# KiCad board Marble.kicad_pcb (continued)
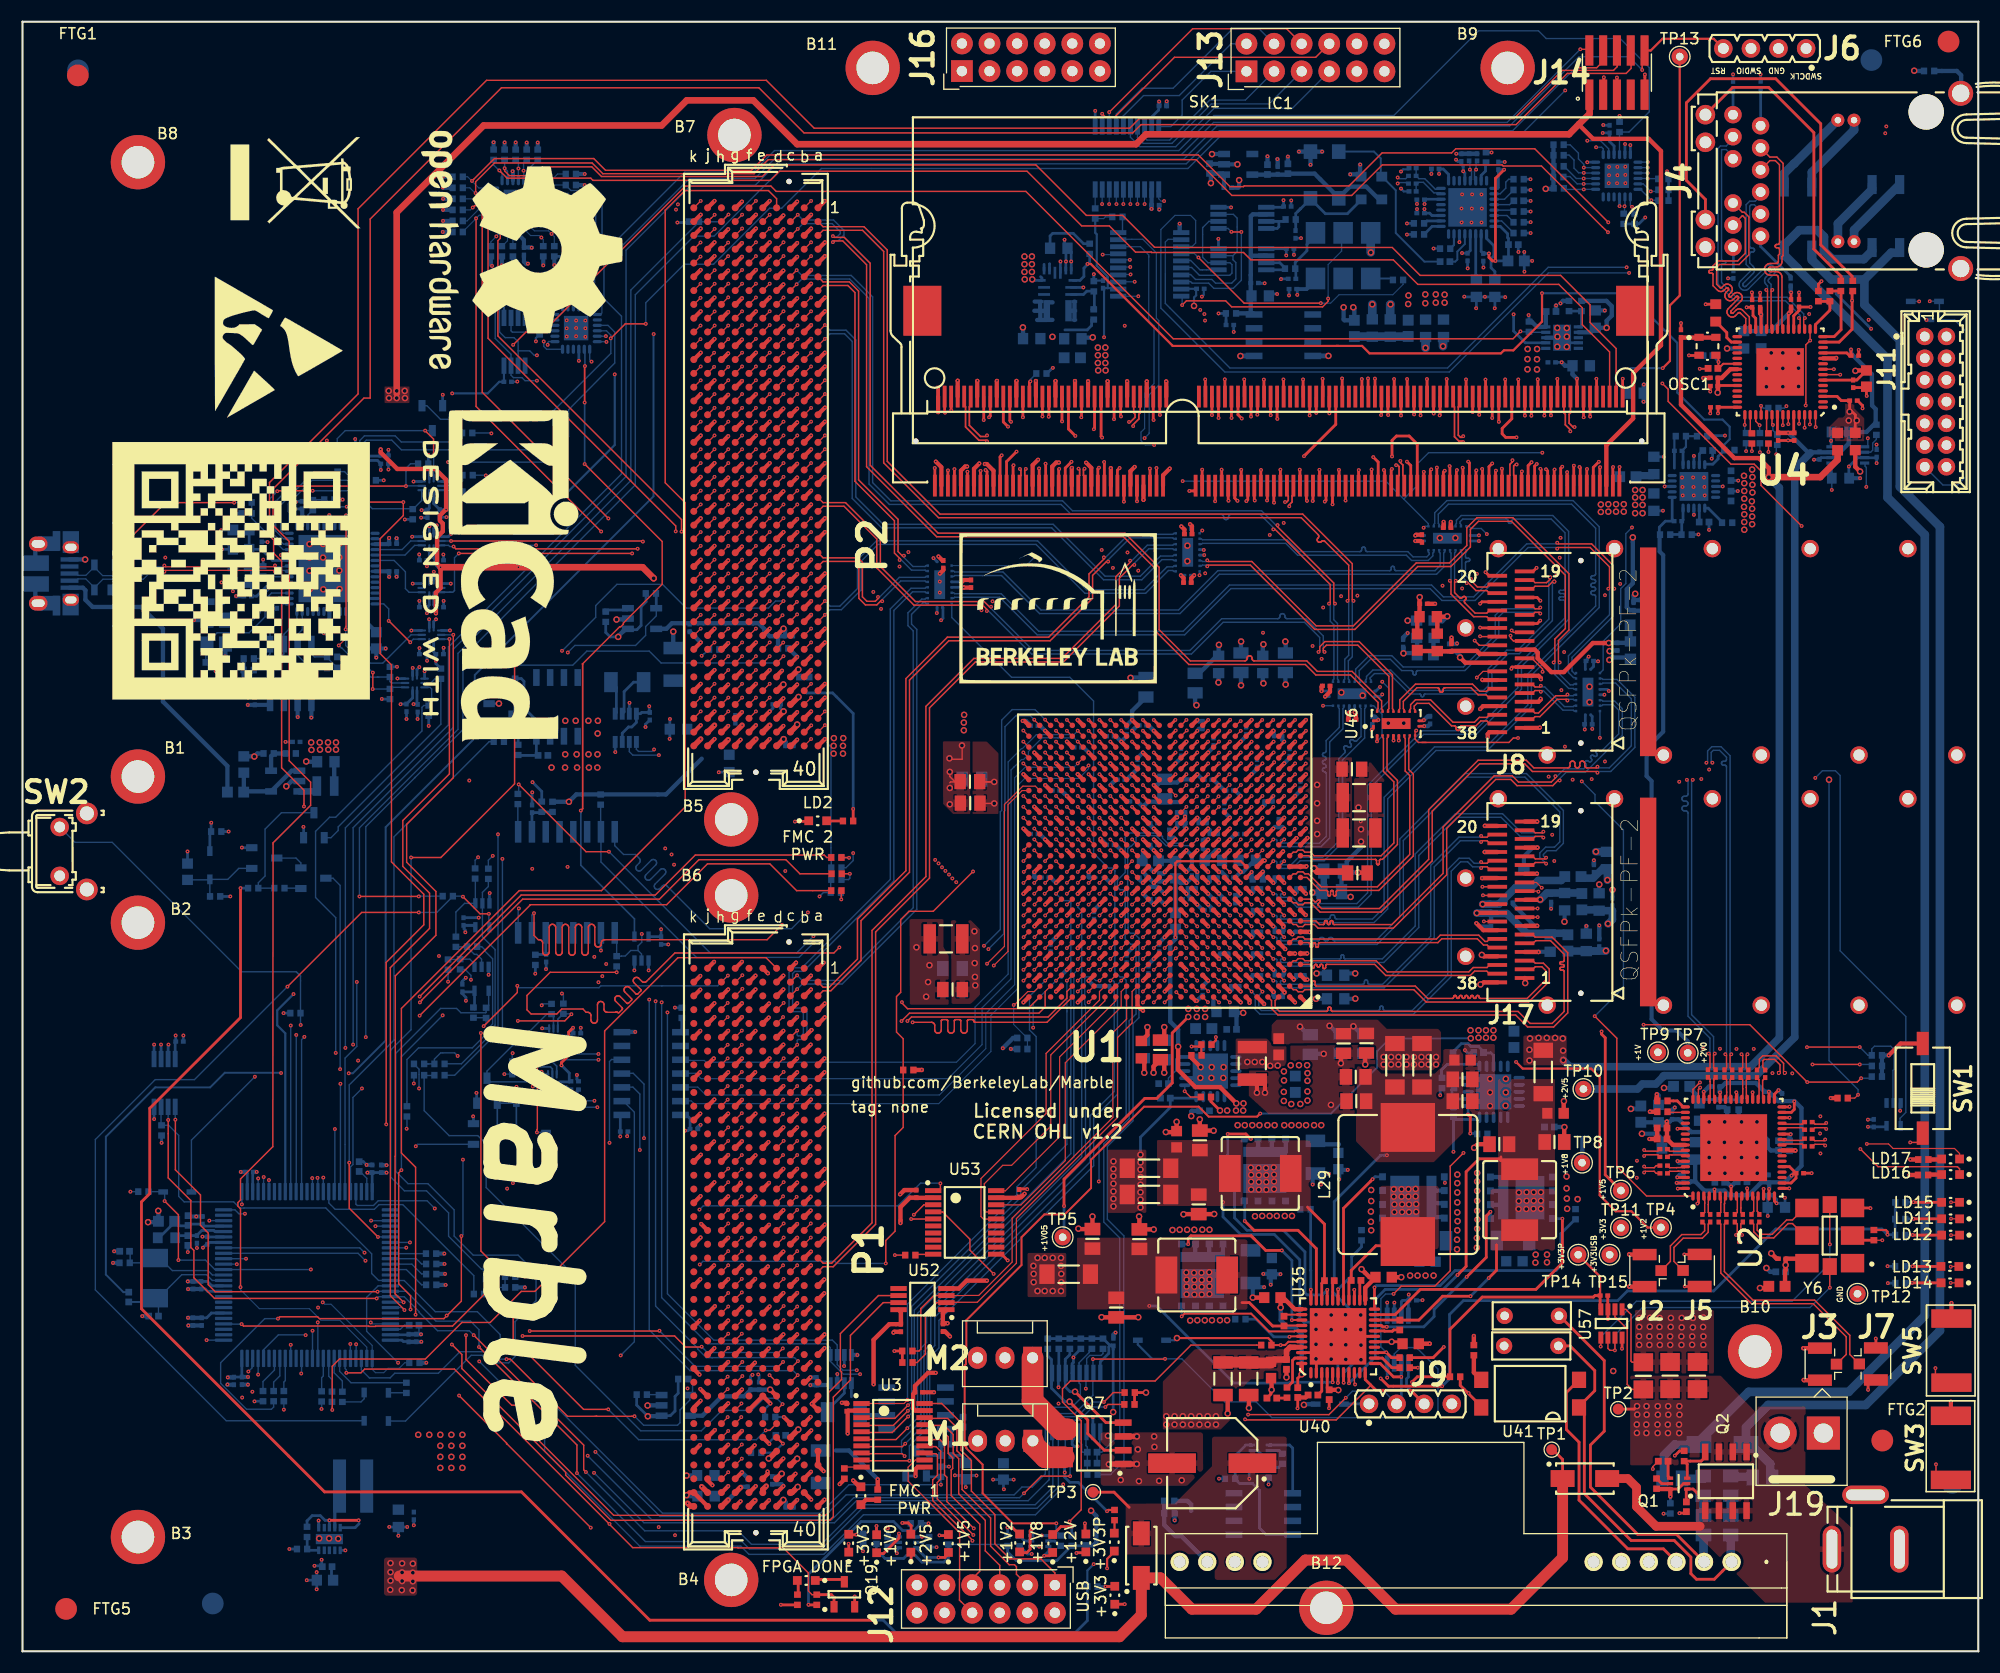
[diagram p0: board, top side]
## Routing (per net, layer and track width the routed paths; a pad name or vN(x,y) marks a point on that pad's centre or on a via; arc(x,y) is an arc through that point) (continued)
FMC2_HA07_P: length 70.8
  Top w0.11: U1.T24 v1(94.12,75.73)
  Top w0.112: v1(63.7,123.33) 63.08,122.71 P2.J9
  In7.Cu w0.1: v1(94.12,75.73) 93.83,75.73 93.76,75.8 93.76,76.05 93.44,76.38 88.89,76.38 87.73,77.54 87.73,78.66 86.31,80.08 86.31,82.68 85.32,83.67 85.32,94.62 85.32,94.62 85.32,95.2 85.32,95.2 85.32,101.22 82.74,103.79 82.04,103.79 77.76,108.07 77.76,117.33 74.73,120.36 67.35,120.36 67.07,120.64 67.07,122.34 66.59,122.83 64.2,122.83 v1(63.7,123.33)
FMC2_HA08_N: length 67.6
  Top w0.11: U1.T23 v1(95.12,75.73)
  Top w0.112: P2.F11 v1(67.5,120.81)
  In7.Cu w0.1: v1(95.12,75.73) 95.47,76.09 95.47,76.9 95.28,77.1 89.13,77.1 88.45,77.77 88.45,79.19 87.4,80.25 87.4,92.58 85.74,94.25 85.74,101.88 83.24,104.37 82.56,104.37 78.45,108.48 78.45,117.94 75.09,121.3 67.99,121.3 v1(67.5,120.81)
FMC2_HA08_P: length 68
  Top w0.11: U1.T22 v1(96.12,75.73)
  Top w0.112: P2.F10 v1(67.5,122.08)
  In7.Cu w0.1: v1(96.12,75.73) 95.76,76.09 95.76,77.02 95.4,77.39 89.25,77.39 88.74,77.89 88.74,79.31 87.69,80.37 87.69,92.7 86.03,94.37 86.03,102 83.36,104.66 82.68,104.66 78.74,108.61 78.74,118.06 75.21,121.59 67.99,121.59 v1(67.5,122.08)
FMC2_HA09_N: length 71.7
  Top w0.11: U1.T17 v1(101.12,75.73)
  Top w0.112: P2.E10 v1(68.77,122.08)
  In7.Cu w0.1: v1(68.77,122.08) 69.26,122.57 75.49,122.57 79.48,118.58 79.48,108.85 83.02,105.31 83.75,105.31 87.34,101.72 87.34,94.54 88.39,93.48 88.39,81.97 90.11,80.25 90.11,78.93 90.96,78.09 96.26,78.09 96.47,77.88 96.47,76.59 96.98,76.09 100.76,76.09 v1(101.12,75.73)
FMC2_HA09_P: length 71.7
  Top w0.11: U1.U17 v1(101.12,76.73)
  Top w0.112: P2.E9 v1(68.77,123.35)
  In7.Cu w0.1: v1(68.77,123.35) 69.26,122.86 75.61,122.86 79.77,118.7 79.77,108.97 83.14,105.6 83.87,105.6 87.63,101.84 87.63,94.66 88.68,93.6 88.68,82.09 90.4,80.37 90.4,79.05 91.08,78.38 96.38,78.38 96.76,78 96.76,76.71 97.1,76.38 100.76,76.38 v1(101.12,76.73)
FMC2_HA10_N: length 74
  Top w0.11: U1.K26 92.15,68.76 v1(92.15,68.73)
  Top w0.112: P2.K14 v1(62.42,117)
  In7.Cu w0.1: v1(92.15,68.73) 92.44,68.73 92.49,68.78 92.49,68.89 92.31,69.08 85.01,69.08 80.57,73.52 80.57,74.58 78.22,76.93 78.22,85.66 76.41,87.46 76.41,97.97 73.41,100.98 63.4,100.98 62.92,101.46 62.92,117.47 62.9,117.49 62.47,117.49 62.42,117.44 v1(62.42,117)
FMC2_HA10_P: length 74.5
  Top w0.11: U1.K25 93.14,68.75 v1(93.14,68.73)
  Top w0.112: P2.K13 v1(62.42,118.27)
  In7.Cu w0.1: v1(93.14,68.73) 92.86,68.73 92.79,68.8 92.79,69.01 92.43,69.37 85.13,69.37 80.86,73.64 80.86,74.7 78.51,77.05 78.51,85.78 76.7,87.58 76.7,98.09 73.53,101.27 63.52,101.27 63.21,101.58 63.21,117.59 63.02,117.78 62.45,117.78 62.42,117.81 v1(62.42,118.27)
FMC2_HA11_N: length 76.4
  Top w0.11: U1.M19 v1(99.12,70.73)
  Top w0.112: P2.J13 63.05,117.63 v1(63.65,118.23)
  In9.Cu w0.1: v1(63.65,118.23) 64.16,118.74 76.98,118.74 80.63,115.08 80.63,110.23 81.48,109.38 81.48,103.36 82.91,101.94 82.91,87.31 86.25,83.97 86.94,83.97 87.67,83.24 87.67,82.5 89.21,80.96 89.73,80.96 91.58,79.11 93.32,79.11 93.48,78.95 93.48,77.45 93.83,77.1 94.23,77.1 94.24,77.09 96.59,77.09 97.47,76.21 97.47,73.18 98.36,72.28 99.27,72.28 99.48,72.08 99.48,71.09 v1(99.12,70.73)
FMC2_HA11_P: length 76.5
  Top w0.11: U1.N18 v1(100.12,71.73)
  Top w0.112: v1(63.65,119.53) 63.05,118.93 P2.J12
  In9.Cu w0.1: v1(63.65,119.53) 64.16,119.03 77.1,119.03 80.92,115.2 80.92,110.35 81.77,109.5 81.77,103.48 83.2,102.06 83.2,87.43 86.37,84.26 87.06,84.26 87.96,83.36 87.96,82.62 89.33,81.25 89.85,81.25 91.7,79.4 93.44,79.4 93.77,79.07 93.77,77.57 93.95,77.39 94.35,77.39 94.36,77.38 96.71,77.38 97.76,76.33 97.76,73.3 98.48,72.57 99.39,72.57 99.77,72.2 99.77,71.5 99.8,71.47 99.86,71.47 v1(100.12,71.73)
FMC2_HA12_N: length 71
  Top w0.11: 94.58,70.21 94.08,69.72
  Top w0.112: P2.F14 v1(67.5,117)
  In9.Cu w0.1: 94.08,69.72 94.08,69.99 94.02,70.05 93.68,70.05 93.47,70.26 93.47,70.97 93.89,71.39 95.06,71.39 95.47,71.81 95.47,75.93 95.32,76.09 92.83,76.09 92.48,76.44 92.48,77.88 92.27,78.09 90.68,78.09 90,78.77 89.17,78.77 88.07,79.87 88.07,80.45 81.54,86.99 81.54,97.98 79.45,100.07 79.45,114.13 76.09,117.49 67.99,117.49 v1(67.5,117)
  vias: v1(94.07,69.73)
FMC2_HA12_P: length 71.1
  Top w0.11: 94.12,70.71 94.58,71.17 94.58,71.21
  Top w0.112: P2.F13 v1(67.5,118.27)
  In9.Cu w0.1: v1(67.5,118.27) 67.99,117.78 76.21,117.78 79.74,114.25 79.74,100.19 81.83,98.1 81.83,87.11 88.36,80.57 88.36,79.99 89.29,79.06 90.12,79.06 90.8,78.38 92.39,78.38 92.77,78 92.77,76.56 92.95,76.38 95.44,76.38 95.76,76.05 95.76,71.69 95.18,71.1 94.01,71.1 93.76,70.85 93.76,70.44 93.86,70.34 94.05,70.34 94.12,70.41 94.12,70.71
  vias: v1(94.12,70.73)
FMC2_HA13_N: length 67.7
  Top w0.11: U1.R20 98.12,74.73 v1(98.11,74.73)
  Top w0.112: P2.E13 v1(68.77,118.27)
  In7.Cu w0.1: v1(98.11,74.73) 97.76,75.09 88.33,75.09 86.25,77.17 86.25,77.9 85.63,78.52 84.83,78.52 83.96,79.4 83.96,93.59 82.85,94.69 82.85,101.79 81.97,102.68 81.27,102.68 76.34,107.62 76.34,116.91 74.49,118.76 69.26,118.76 v1(68.77,118.27)
FMC2_HA13_P: length 67.7
  Top w0.11: v1(98.11,75.73) 98.12,75.73 U1.T20
  Top w0.112: P2.E12 v1(68.77,119.54)
  In7.Cu w0.1: v1(68.77,119.54) 69.26,119.05 74.61,119.05 76.63,117.03 76.63,107.74 81.39,102.97 82.09,102.97 83.14,101.91 83.14,94.81 84.25,93.71 84.25,79.52 84.95,78.81 85.75,78.81 86.54,78.02 86.54,77.29 88.45,75.38 97.76,75.38 v1(98.11,75.73)
FMC2_HA14_N: length 74.9
  Top w0.11: v1(98.12,73.73) 98.59,73.26 98.61,73.26
  Top w0.112: P2.J16 v1(63.69,114.46)
  In2.Cu w0.1: v1(63.69,114.46) 63.69,114.86 63.78,114.95 64.14,114.95 64.26,114.82 64.26,113.21 63.77,112.72 63.34,112.72 62.94,112.32 62.94,109.19 63.5,108.63 74.52,108.63 76.4,106.75 76.4,88.17 78.33,86.24 78.33,78.88 83.12,74.08 92,74.08 92,74.09 92.34,74.09 92.35,74.08 98.29,74.08 98.48,73.89 98.48,73.8 98.41,73.73 v1(98.12,73.73)
FMC2_HA14_P: length 75.4
  Top w0.11: 99.61,73.26 99.6,73.26 v1(99.11,73.76)
  Top w0.112: P2.J15 v1(63.69,115.73)
  In2.Cu w0.1: v1(99.11,73.76) 98.84,73.76 98.77,73.82 98.77,74.01 98.41,74.37 92.47,74.37 92.46,74.38 91.88,74.38 91.88,74.37 83.24,74.37 78.62,79 78.62,86.36 76.69,88.29 76.69,106.87 74.64,108.92 63.62,108.92 63.23,109.31 63.23,112.2 63.46,112.43 63.89,112.43 64.55,113.09 64.55,114.94 64.26,115.24 63.77,115.24 63.69,115.32 v1(63.69,115.73)
FMC2_HA15_N: length 58.5
  Top w0.11: U1.P25 v1(93.12,73.73)
  Top w0.112: P2.F17 v1(67.5,113.19)
  In9.Cu w0.1: v1(93.12,73.73) 92.76,74.09 92.01,74.09 92.01,74.09 89.91,74.09 85.37,78.63 84.9,78.63 77.13,86.39 77.13,111.26 74.72,113.68 67.99,113.68 v1(67.5,113.19)
FMC2_HA15_P: length 58.5
  Top w0.11: U1.R25 v1(93.12,74.73)
  Top w0.112: P2.F16 v1(67.5,114.46)
  In9.Cu w0.1: v1(93.12,74.73) 92.76,74.38 90.03,74.38 85.49,78.92 85.02,78.92 77.42,86.51 77.42,111.38 74.84,113.97 67.99,113.97 v1(67.5,114.46)
FMC2_HA16_N: length 59.1
  Top w0.11: U1.P26 92.13,72.74 v1(92.13,72.74)
  Top w0.112: P2.E16 v1(68.77,114.46)
  In7.Cu w0.1: v1(92.13,72.74) 91.8,73.07 88.51,73.07 88.49,73.09 88.15,73.09 88.14,73.07 86.98,73.07 81.72,78.33 81.72,87.94 81.07,88.6 81.07,97.74 79.4,99.4 79.4,101.18 74.29,106.29 74.29,112.08 73.92,112.45 70.9,112.45 70.57,112.78 70.57,114.6 70.22,114.95 69.26,114.95 v1(68.77,114.46)
FMC2_HA16_P: length 59.2
  Top w0.11: U1.R26 92.17,73.78 v1(92.17,73.74)
  Top w0.112: P2.E15 v1(68.77,115.73)
  In7.Cu w0.1: v1(92.17,73.74) 91.8,73.36 88.63,73.36 88.61,73.38 88.03,73.38 88.02,73.36 87.1,73.36 82.01,78.45 82.01,88.06 81.36,88.72 81.36,97.86 79.69,99.52 79.69,101.31 74.58,106.41 74.58,112.2 74.04,112.74 71.02,112.74 70.86,112.9 70.86,114.72 70.34,115.24 69.26,115.24 v1(68.77,115.73)
FMC2_HA17_CC_N: length 63.5
  Top w0.11: U1.R23 v1(95.12,74.73)
  Top w0.112: P2.K17 v1(62.42,113.19)
  In4.Cu w0.1: v1(95.12,74.73) 95.47,75.09 95.47,80.9 95.29,81.08 92.8,81.08 92.47,81.42 92.47,85.58 92.47,85.58 92.47,85.92 92.47,85.93 92.47,89.48 84.95,96.99 84.95,101.03 81.08,104.9 81.08,107.67 75.07,113.68 62.91,113.68 v1(62.42,113.19)
FMC2_HA17_CC_P: length 63.9
  Top w0.11: U1.R22 v1(96.12,74.73)
  Top w0.112: P2.K16 v1(62.42,114.46)
  In4.Cu w0.1: v1(96.12,74.73) 95.76,75.09 95.76,81.02 95.41,81.37 92.92,81.37 92.76,81.54 92.76,85.46 92.76,85.46 92.76,86.04 92.76,86.05 92.76,89.6 85.24,97.11 85.24,101.15 81.37,105.02 81.37,107.79 75.19,113.97 62.91,113.97 v1(62.42,114.46)
FMC2_HA18_N: length 68.3
  Top w0.11: 96.62,71.24 v1(96.12,70.74)
  Top w0.112: P2.J19 v1(63.69,110.65)
  In4.Cu w0.1: v1(63.69,110.65) 64.18,111.14 65.08,111.14 65.47,110.74 65.47,110.26 65.86,109.87 74.02,109.87 76.83,107.07 76.83,96.32 82.36,90.8 82.36,77.64 82.84,77.15 89.67,77.15 91.36,75.46 91.36,71.5 91.77,71.09 96.29,71.09 96.48,70.91 96.48,70.85 96.37,70.74 v1(96.12,70.74)
FMC2_HA18_P: length 68.8
  Top w0.11: 97.62,71.24 v1(97.12,70.74)
  Top w0.112: P2.J18 v1(63.69,111.92)
  In4.Cu w0.1: v1(97.12,70.74) 96.84,70.74 96.77,70.81 96.77,71.02 96.41,71.38 91.89,71.38 91.65,71.62 91.65,75.58 89.79,77.44 82.96,77.44 82.65,77.76 82.65,90.92 77.12,96.44 77.12,107.19 74.14,110.16 65.98,110.16 65.76,110.38 65.76,110.86 65.2,111.43 64.18,111.43 v1(63.69,111.92)
FMC2_HA19_N: length 65.3
  Top w0.11: U1.M20 v1(98.12,70.73)
  Top w0.112: P2.F20 v1(67.5,109.38)
  In7.Cu w0.1: v1(98.12,70.73) 98.29,70.91 98.29,71.09 98.29,71.09 86.69,71.09 84.34,73.44 83.9,73.44 82.51,74.83 82.51,75.87 80.47,77.91 80.47,87.04 79.53,87.98 79.53,95.84 79.95,96.26 79.95,97.05 78.29,98.71 78.29,100.59 75.28,103.6 73.55,103.6 73.07,104.08 73.07,109.67 72.88,109.87 67.99,109.87 v1(67.5,109.38)
FMC2_HA19_P: length 65.9
  Top w0.11: U1.N19 v1(99.12,71.73)
  Top w0.112: P2.F19 v1(67.5,110.65)
  In7.Cu w0.1: v1(99.12,71.73) 98.77,71.38 86.81,71.38 84.46,73.73 84.02,73.73 82.8,74.95 82.8,75.99 80.76,78.03 80.76,87.16 79.82,88.1 79.82,95.72 80.24,96.14 80.24,97.18 78.58,98.83 78.58,100.71 75.4,103.89 73.67,103.89 73.36,104.2 73.36,109.79 73,110.16 67.99,110.16 v1(67.5,110.65)
FMC2_HA20_N: length 58.2
  Top w0.11: U1.N23 v1(95.12,72.73)
  Top w0.112: P2.E19 v1(68.77,110.65)
  In9.Cu w0.1: v1(68.77,110.65) 69.26,111.14 74.97,111.14 75.88,110.23 75.88,86.16 88.96,73.09 91.95,73.09 91.96,73.09 92.3,73.09 92.3,73.09 94.76,73.09 v1(95.12,72.73)
FMC2_HA20_P: length 58.2
  Top w0.11: U1.P23 v1(95.12,73.73)
  Top w0.112: P2.E18 v1(68.77,111.92)
  In9.Cu w0.1: v1(68.77,111.92) 69.26,111.43 75.09,111.43 76.17,110.35 76.17,86.28 89.08,73.38 91.83,73.38 91.84,73.38 92.42,73.38 92.42,73.38 94.76,73.38 v1(95.12,73.73)
FMC2_HA21_N: length 63.2
  Top w0.11: 94.62,72.25 94.13,71.75
  Top w0.112: P2.K20 v1(62.42,109.38)
  In9.Cu w0.1: v1(62.42,109.38) 62.91,109.87 74.21,109.87 74.63,109.44 74.63,97.11 74.67,97.07 74.67,95.01 74.63,94.97 74.63,85.74 88.27,72.1 93.77,72.1 v1(94.12,71.75)
FMC2_HA21_P: length 63.2
  Top w0.11: 94.62,73.25 94.62,73.23 v1(94.12,72.73)
  Top w0.112: P2.K19 v1(62.42,110.65)
  In9.Cu w0.1: v1(94.12,72.73) 93.77,72.39 88.39,72.39 74.92,85.86 74.92,94.85 74.96,94.89 74.96,97.19 74.92,97.23 74.92,109.56 74.33,110.16 62.91,110.16 v1(62.42,110.65)
FMC2_HA22_N: length 59.5
  Top w0.11: 92.61,71.21 v1(92.13,70.73) ; U1.M26 92.62,71.22
  Top w0.112: P2.J22 v1(63.69,106.84)
  In9.Cu w0.1: v1(63.69,106.84) 64.18,107.33 71.47,107.33 71.81,106.98 71.81,90.68 71.9,90.59 71.9,87.62 71.81,87.53 71.81,82.99 73.85,80.95 76.78,80.95 86.65,71.08 91.78,71.08 v1(92.13,70.73)
FMC2_HA22_P: length 59.5
  Top w0.11: 92.62,72.21 v1(92.15,71.75) ; U1.N26 92.61,72.23
  Top w0.112: P2.J21 v1(63.69,108.11)
  In9.Cu w0.1: v1(63.69,108.11) 64.18,107.62 71.59,107.62 72.1,107.1 72.1,90.8 72.19,90.71 72.19,87.5 72.1,87.41 72.1,83.11 73.97,81.24 76.9,81.24 86.77,71.37 91.78,71.37 v1(92.15,71.75)
FMC2_HA23_N: length 61.7
  Top w0.11: U1.L25 93.12,69.73 v1(93.12,69.73)
  Top w0.112: P2.K23 v1(62.42,105.57)
  In9.Cu w0.1: v1(93.12,69.73) 92.76,70.09 85.23,70.09 76.03,79.29 73.01,79.29 70.57,81.73 70.57,105.9 70.42,106.06 62.91,106.06 v1(62.42,105.57)
FMC2_HA23_P: length 61.7
  Top w0.11: v1(93.12,70.73) 93.12,70.73 U1.M25
  Top w0.112: P2.K22 v1(62.42,106.84)
  In9.Cu w0.1: v1(93.12,70.73) 92.76,70.38 85.35,70.38 76.15,79.58 73.13,79.58 70.82,81.89 70.82,106.07 70.54,106.35 62.91,106.35 v1(62.42,106.84)
FMC2_LA_0_N: length 74
  Top w0.11: U1.AA22 v1(96.12,80.73)
  Top w0.112: P2.G7 v1(66.23,125.89)
  In2.Cu w0.1: v1(66.23,125.89) 66.72,126.38 84.78,126.38 92.05,119.11 92.05,114.87 93.21,113.71 93.21,110.7 92.78,110.27 92.78,102.96 92.07,102.25 92.07,92.67 97.47,87.26 97.47,80.56 97.29,80.38 96.47,80.38 v1(96.12,80.73)
FMC2_LA_0_P: length 74.9
  Top w0.11: U1.Y22 v1(96.12,79.73)
  Top w0.112: P2.G6 v1(66.23,127.16)
  In2.Cu w0.1: v1(66.23,127.16) 66.72,126.67 84.9,126.67 92.34,119.23 92.34,114.99 93.5,113.83 93.5,110.58 93.07,110.15 93.07,102.84 92.36,102.13 92.36,92.79 97.76,87.38 97.76,80.44 97.41,80.09 96.47,80.09 v1(96.12,79.73)
FMC2_LA_1_N: length 67.1
  Top w0.11: U1.AB24 v1(94.12,81.73)
  Top w0.112: P2.D9 v1(70.04,123.35)
  In2.Cu w0.1: v1(70.04,123.35) 70.53,123.84 84.97,123.84 90.46,118.35 90.46,114.89 91.37,113.98 91.37,112.27 90.47,111.37 90.47,108.53 90.87,108.12 90.87,92.43 96.47,86.82 96.47,81.55 96.29,81.37 94.48,81.37 v1(94.12,81.73)
FMC2_LA_1_P: length 67.6
  Top w0.11: U1.AA23 v1(95.12,80.73)
  Top w0.112: P2.D8 v1(70.04,124.62)
  In2.Cu w0.1: v1(70.04,124.62) 70.53,124.13 85.09,124.13 90.75,118.47 90.75,115.01 91.66,114.1 91.66,112.15 90.76,111.25 90.76,108.65 91.16,108.24 91.16,92.55 96.76,86.94 96.76,81.43 96.41,81.08 94.94,81.08 94.91,81.05 94.91,80.94 v1(95.12,80.73)
FMC2_LA_2_N: length 66.7
  Top w0.11: U1.AF22 v1(96.12,85.73)
  Top w0.112: v1(64.95,124.63) 64.32,124 P2.H8
  In2.Cu w0.1: v1(64.95,124.63) 64.95,124.88 64.72,125.11 64.68,125.11 64.43,124.86 64.43,124.23 64.58,124.07 69.22,124.07 69.52,123.77 69.52,123.14 69.78,122.88 83.71,122.88 88.97,117.63 88.97,116.66 89.6,116.03 89.6,108.58 90.07,108.12 90.07,96.85 90.26,96.66 90.26,95.63 90.07,95.44 90.07,92.28 95.76,86.58 95.76,85.56 95.95,85.38 96.07,85.38 96.12,85.42 v1(96.12,85.73)
FMC2_LA_2_P: length 67.4
  Top w0.11: U1.AE22 v1(96.12,84.73)
  Top w0.112: P2.H7 v1(64.96,125.89)
  In2.Cu w0.1: v1(64.96,125.89) 64.14,125.07 64.14,124.11 64.46,123.78 69.1,123.78 69.23,123.65 69.23,123.02 69.66,122.59 83.59,122.59 88.68,117.51 88.68,116.54 89.31,115.91 89.31,108.46 89.78,108 89.78,96.73 89.97,96.54 89.97,95.75 89.78,95.56 89.78,92.16 95.47,86.46 95.47,85.38 v1(96.12,84.73)
FMC2_LA_3_N: length 60
  Top w0.11: 92.61,84.25 v1(92.11,84.75)
  Top w0.112: P2.G10 v1(66.23,122.08)
  In2.Cu w0.1: v1(66.23,122.08) 66.72,122.57 67.67,122.57 67.95,122.29 67.95,121.64 68.23,121.35 70.2,121.35 70.51,121.04 70.51,120.45 70.99,119.97 81.03,119.97 86.19,114.81 86.19,106.42 87.14,105.47 87.14,97.5 86.71,97.07 86.71,92.04 92.45,86.3 92.45,85.4 92.71,85.13 92.71,84.55 92.56,84.39 92.2,84.39 92.11,84.48 v1(92.11,84.75)
FMC2_LA_3_P: length 61
  Top w0.11: 92.61,83.23 v1(92.11,83.73)
  Top w0.112: P2.G9 v1(66.23,123.35)
  In2.Cu w0.1: v1(92.11,83.73) 92.11,84.01 92.2,84.1 92.68,84.1 93,84.43 93,85.25 92.74,85.52 92.74,86.42 87,92.16 87,96.95 87.43,97.38 87.43,105.59 86.48,106.54 86.48,114.93 81.15,120.26 71.11,120.26 70.81,120.57 70.81,121.16 70.32,121.64 68.35,121.64 68.24,121.76 68.24,122.41 67.79,122.86 66.72,122.86 v1(66.23,123.35)
FMC2_LA_4_N: length 73
  Top w0.11: v1(97.12,78.73) 97.12,78.73 U1.W21
  Top w0.112: v1(64.95,120.78) 64.34,120.17 P2.H11
  In9.Cu w0.1: v1(97.12,78.73) 96.76,78.38 95.97,78.38 95.76,78.58 95.76,87.51 87.45,95.82 87.45,103.38 86.48,104.35 86.48,109.3 85.18,110.59 85.18,112.23 83.83,113.58 83.83,117.45 77.1,124.18 64.81,124.18 64.16,123.53 64.16,121.67 64.57,121.26 64.86,121.26 64.95,121.17 v1(64.95,120.78)
FMC2_LA_4_P: length 72
  Top w0.11: v1(97.12,77.73) 97.12,77.73 U1.V21
  Top w0.112: v1(64.95,122.03) 64.36,121.44 P2.H10
  In9.Cu w0.1: v1(97.12,77.73) 96.76,78.09 95.85,78.09 95.47,78.46 95.47,87.39 87.16,95.7 87.16,103.26 86.19,104.23 86.19,109.18 84.89,110.47 84.89,112.11 83.54,113.46 83.54,117.33 76.98,123.89 64.93,123.89 64.45,123.4 64.45,121.79 64.69,121.55 64.85,121.55 64.95,121.65 v1(64.95,122.03)
FMC2_LA_5_N: length 59.7
  Top w0.11: 92.61,82.24 92.6,82.24 v1(92.11,82.73)
  Top w0.112: v1(70.04,119.54) P2.D12 69.4,118.93
  In9.Cu w0.1: v1(70.04,119.54) 70.53,120.03 79.03,120.03 82.26,116.79 82.26,113.36 83.66,111.96 83.66,110.08 83.16,109.59 83.16,103.78 84.98,101.96 84.98,95.23 85.36,94.85 85.36,88.86 87.17,87.05 92.68,87.05 93.48,86.25 93.48,82.5 93.35,82.38 92.19,82.38 92.11,82.45 v1(92.11,82.73)
FMC2_LA_5_P: length 60.6
  Top w0.11: 92.61,81.23 v1(92.11,81.73)
  Top w0.112: P2.D11 v1(70.04,120.81)
  In9.Cu w0.1: v1(70.04,120.81) 70.53,120.32 79.15,120.32 82.55,116.91 82.55,113.48 83.95,112.08 83.95,109.96 83.45,109.47 83.45,103.9 85.27,102.08 85.27,95.35 85.65,94.97 85.65,88.98 87.29,87.34 92.8,87.34 93.77,86.37 93.77,82.38 93.47,82.09 92.19,82.09 92.11,82.01 v1(92.11,81.73)
FMC2_LA_6_N: length 56.9
  Top w0.11: U1.AD24 v1(94.12,83.73)
  Top w0.112: 70.7,120.15 v1(71.33,120.78)
  In2.Cu w0.1: v1(71.33,120.78) 71.82,121.27 83.39,121.27 87.1,117.56 87.1,116.14 87.39,115.84 87.39,108.39 88.48,107.3 88.48,97.22 87.58,96.32 87.58,95.35 88.48,94.45 88.48,91.99 94.47,86 94.47,84.09 v1(94.12,83.73)
FMC2_LA_6_P: length 57.4
  Top w0.11: U1.AD23 v1(95.12,83.73)
  Top w0.112: 70.7,121.42 v1(71.33,122.05)
  In2.Cu w0.1: v1(95.12,83.73) 94.76,84.09 94.76,86.12 88.77,92.11 88.77,94.57 87.87,95.47 87.87,96.2 88.77,97.1 88.77,107.42 87.68,108.51 87.68,115.96 87.39,116.26 87.39,117.68 83.51,121.56 71.82,121.56 v1(71.33,122.05)
FMC2_LA_7_N: length 67.1
  Top w0.11: U1.AC22 v1(96.12,82.73)
  Top w0.112: P2.H14 v1(64.96,117)
  In2.Cu w0.1: v1(96.12,82.73) 95.76,82.38 90.41,82.38 88.56,84.22 86.08,84.22 85.18,85.13 85.18,102.6 83.29,104.5 83.29,109.77 83.85,110.33 83.85,111.99 78.09,117.75 66.12,117.75 65.79,118.08 65.79,118.73 65.46,119.06 64.61,119.06 64.11,118.57 64.11,117.79 64.43,117.47 64.84,117.47 64.96,117.35 v1(64.96,117)
FMC2_LA_7_P: length 66.1
  Top w0.11: U1.AB22 v1(96.12,81.73)
  Top w0.112: P2.H13 64.35,117.63 v1(64.95,118.23)
  In2.Cu w0.1: v1(64.95,118.23) 64.95,117.89 64.82,117.76 64.55,117.76 64.4,117.91 64.4,118.45 64.73,118.77 65.34,118.77 65.5,118.61 65.5,117.96 66,117.46 77.97,117.46 83.56,111.87 83.56,110.45 83,109.89 83,104.38 84.89,102.48 84.89,85.01 85.96,83.93 88.44,83.93 90.29,82.09 95.76,82.09 v1(96.12,81.73)
FMC2_LA_8_N: length 59.1
  Top w0.11: U1.AC24 v1(94.12,82.73)
  Top w0.112: P2.G13 v1(66.23,118.27)
  In2.Cu w0.1: v1(94.12,82.73) 94.42,82.73 94.47,82.78 94.47,82.88 94.27,83.09 90.52,83.09 87.9,85.71 87.9,86.41 85.74,88.56 85.74,103.52 84.47,104.79 84.47,112.55 78.27,118.76 66.72,118.76 v1(66.23,118.27)
FMC2_LA_8_P: length 59.6
  Top w0.11: U1.AC23 v1(95.12,82.73)
  Top w0.112: P2.G12 v1(66.23,119.54)
  In2.Cu w0.1: v1(95.12,82.73) 94.82,82.73 94.76,82.78 94.76,83 94.39,83.38 90.64,83.38 88.19,85.83 88.19,86.53 86.03,88.68 86.03,103.64 84.76,104.91 84.76,112.67 78.39,119.05 66.72,119.05 v1(66.23,119.54)
FMC2_LA_9_N: length 57
  Top w0.11: 92.61,77.24 v1(92.11,77.74)
  Top w0.112: P2.D15 v1(70.04,115.73)
  In9.Cu w0.1: v1(92.11,77.74) 91.75,77.38 89.21,77.38 86.19,80.4 85.14,80.4 80.25,85.28 80.25,97.93 78.6,99.58 78.6,112.77 76.14,115.23 69.69,115.23 69.47,115.44 69.47,116.14 69.55,116.22 69.94,116.22 70.04,116.12 v1(70.04,115.73)
FMC2_LA_9_P: length 57.8
  Top w0.11: 92.61,76.22 92.61,76.23 v1(92.11,76.73)
  Top w0.112: P2.D14 v1(70.04,117)
  In9.Cu w0.1: v1(92.11,76.73) 89.45,76.73 86.07,80.11 85.02,80.11 79.96,85.16 79.96,97.81 78.31,99.46 78.31,112.65 76.02,114.94 69.57,114.94 69.18,115.32 69.18,116.39 69.79,117 v1(70.04,117)
FMC2_LA_10_N: length 47
  Top w0.11: U1.AF23 v1(95.12,85.73)
  Top w0.112: P2.C15 v1(71.31,115.73)
  In4.Cu w0.1: v1(71.31,115.73) 71.31,116.16 71.25,116.22 70.83,116.22 70.71,116.09 70.71,115.33 70.75,115.29 75.3,115.29 82.69,107.9 82.69,106.86 87.47,102.08 87.47,101.18 90.87,97.78 90.87,95.09 93.76,92.2 93.76,86.04 93.76,85.6 93.99,85.38 94.76,85.38 v1(95.12,85.73)
FMC2_LA_10_P: length 48
  Top w0.11: U1.AE23 v1(95.12,84.73)
  Top w0.112: P2.C14 v1(71.31,117)
  In4.Cu w0.1: v1(71.31,117) 71.31,116.57 71.24,116.51 70.71,116.51 70.42,116.21 70.42,115.21 70.63,115 75.18,115 82.4,107.78 82.4,106.74 87.18,101.96 87.18,101.06 90.58,97.66 90.58,94.97 93.47,92.08 93.47,85.92 93.47,85.58 93.47,85.58 93.47,85.48 93.87,85.09 94.76,85.09 v1(95.12,84.73)
FMC2_LA_11_N: length 62.3
  Top w0.11: v1(94.12,78.73) 94.12,78.73 U1.W24
  Top w0.112: P2.H17 v1(64.96,113.19)
  In2.Cu w0.1: v1(64.96,113.19) 65.45,113.68 75.81,113.68 80.6,108.89 80.6,102.99 81.97,101.62 81.97,89.07 82.71,88.33 82.71,81.37 83.98,80.1 86.7,80.1 87.63,79.17 92.64,79.17 93.55,80.08 94.29,80.08 94.31,80.06 94.34,80.06 94.47,79.93 94.47,79.09 v1(94.12,78.73)
FMC2_LA_11_P: length 62.8
  Top w0.11: v1(95.12,78.73) 95.12,78.73 U1.W23
  Top w0.112: P2.H16 v1(64.96,114.46)
  In2.Cu w0.1: v1(95.12,78.73) 94.76,79.09 94.76,80.05 94.46,80.35 94.43,80.35 94.41,80.37 93.43,80.37 92.52,79.46 87.75,79.46 86.82,80.39 84.1,80.39 83,81.49 83,88.45 82.26,89.19 82.26,101.74 80.89,103.11 80.89,109.01 75.93,113.97 65.45,113.97 v1(64.96,114.46)
FMC2_LA_12_N: length 61.2
  Top w0.11: U1.AB25 v1(93.12,81.73)
  Top w0.112: P2.G16 v1(66.23,114.46)
  In2.Cu w0.1: v1(93.12,81.73) 93.12,81.49 93,81.38 86.85,81.38 86.51,81.72 84.65,81.72 84.04,82.33 84.04,89.26 83.3,89.99 83.3,102.46 82.07,103.7 82.07,109.43 75.01,116.49 65.79,116.49 65.44,116.14 65.44,115.32 65.81,114.95 66.12,114.95 66.23,114.84 v1(66.23,114.46)
FMC2_LA_12_P: length 60.2
  Top w0.11: U1.AA25 v1(93.12,80.73)
  Top w0.112: P2.G15 v1(66.23,115.73)
  In2.Cu w0.1: v1(93.12,80.73) 93.12,80.97 93,81.09 86.73,81.09 86.39,81.43 84.53,81.43 83.75,82.21 83.75,89.14 83.01,89.87 83.01,102.34 81.78,103.58 81.78,109.31 74.89,116.2 65.91,116.2 65.72,116.02 65.72,115.44 65.93,115.24 66.14,115.24 66.23,115.32 v1(66.23,115.73)
FMC2_LA_13_N: length 56.9
  Top w0.11: U1.V24 94.12,77.73 v1(94.12,77.74)
  Top w0.112: P2.D18 v1(70.04,111.92)
  In2.Cu w0.1: v1(70.04,111.92) 70.53,112.41 75.77,112.41 79.32,108.86 79.32,99.57 80.95,97.94 80.95,88.55 81.6,87.9 81.6,80.77 83.75,78.63 86.52,78.63 87.93,77.21 89.99,77.21 90.87,78.09 94.32,78.09 94.47,77.94 94.47,77.8 94.42,77.74 v1(94.12,77.74)
FMC2_LA_13_P: length 57.4
  Top w0.11: U1.V23 95.12,77.73 v1(95.12,77.74)
  Top w0.112: P2.D17 v1(70.04,113.19)
  In2.Cu w0.1: v1(70.04,113.19) 70.53,112.7 75.89,112.7 79.61,108.98 79.61,99.69 81.24,98.06 81.24,88.67 81.89,88.02 81.89,80.89 83.87,78.92 86.64,78.92 88.05,77.5 89.87,77.5 90.75,78.38 94.44,78.38 94.76,78.06 94.76,77.8 94.83,77.74 v1(95.12,77.74)
FMC2_LA_14_N: length 53.7
  Top w0.11: U1.U25 v1(93.12,76.73)
  Top w0.112: P2.C19 v1(71.31,110.65)
  In2.Cu w0.1: v1(71.31,110.65) 71.8,111.14 75.35,111.14 78.33,108.16 78.33,98.97 79.98,97.31 79.98,87.96 80.43,87.52 80.43,79.98 83.47,76.93 85.47,76.93 85.99,76.42 90.64,76.42 91.31,77.08 92.77,77.08 v1(93.12,76.73)
FMC2_LA_14_P: length 55
  Top w0.11: U1.U24 v1(94.12,76.73)
  Top w0.112: P2.C18 v1(71.31,111.92)
  In2.Cu w0.1: v1(71.31,111.92) 71.8,111.43 75.47,111.43 78.62,108.28 78.62,99.09 80.27,97.43 80.27,88.08 80.72,87.64 80.72,80.1 83.59,77.22 85.59,77.22 86.11,76.71 90.52,76.71 91.19,77.37 93.45,77.37 93.76,77.05 93.76,76.79 93.83,76.73 v1(94.12,76.73)
FMC2_LA_15_N: length 67.8
  Top w0.11: U1.V22 v1(96.12,77.73)
  Top w0.112: P2.H20 v1(64.96,109.38)
  In2.Cu w0.1: v1(96.12,77.73) 95.76,77.38 94.84,77.38 94.47,77 94.47,76.56 94.29,76.38 91.64,76.38 90.86,75.59 83.6,75.59 79.7,79.5 79.7,86.77 77.64,88.83 77.64,107.83 75.3,110.17 69.92,110.17 69.59,110.5 69.59,110.96 69.11,111.44 64.5,111.44 64.04,110.98 64.04,110.82 64.04,110.81 64.04,110.48 64.04,110.47 64.04,110.14 64.31,109.87 64.81,109.87 64.96,109.72 v1(64.96,109.38)
FMC2_LA_15_P: length 66.9
  Top w0.11: U1.U22 v1(96.12,76.73)
  Top w0.112: P2.H19 v1(64.96,110.65)
  In2.Cu w0.1: v1(96.12,76.73) 95.76,77.09 94.97,77.09 94.76,76.88 94.76,76.44 94.41,76.09 91.76,76.09 90.98,75.3 83.48,75.3 79.41,79.38 79.41,86.65 77.35,88.71 77.35,107.71 75.18,109.88 69.8,109.88 69.3,110.38 69.3,110.84 68.99,111.15 64.62,111.15 64.33,110.86 64.33,110.36 64.33,110.35 64.33,110.26 64.43,110.16 64.85,110.16 64.96,110.26 v1(64.96,110.65)
FMC2_LA_16_N: length 52.4
  Top w0.11: 92.61,78.23 92.61,78.23 v1(92.11,78.73)
  Top w0.112: P2.G19 v1(66.23,110.65)
  In4.Cu w0.1: v1(92.11,78.73) 92.38,78.73 92.47,78.82 92.47,79.11 92.39,79.2 88.48,79.2 87.9,79.77 87.9,89.44 80.6,96.75 80.6,97.82 79.03,99.39 79.03,106.35 74.24,111.14 66.72,111.14 v1(66.23,110.65)
FMC2_LA_16_P: length 52.9
  Top w0.11: v1(93.11,78.73) 93.61,78.23 93.61,78.23
  Top w0.112: P2.G18 v1(66.23,111.92)
  In4.Cu w0.1: v1(66.23,111.92) 66.72,111.43 74.36,111.43 79.32,106.47 79.32,99.51 80.89,97.94 80.89,96.87 88.19,89.56 88.19,79.89 88.6,79.49 92.51,79.49 92.76,79.24 92.76,78.82 92.84,78.73 v1(93.11,78.73)
FMC2_LA_17_N: length 64
  Top w0.11: U1.F23 v1(95.12,64.73)
  Top w0.112: P2.D21 v1(70.04,108.11)
  In4.Cu w0.1: v1(95.12,64.73) 95.34,64.95 95.34,65.04 95.3,65.08 94.82,65.08 94.47,65.44 94.47,65.89 94.27,66.08 93.31,66.08 91.6,66.09 90.35,67.34 90.35,73.52 87.8,76.07 81.62,76.07 81.12,76.57 81.12,88.91 75.53,94.49 75.53,107 73.94,108.6 70.53,108.6 v1(70.04,108.11)
